# Allegro board 8880F5-0823_9.brd (continued)
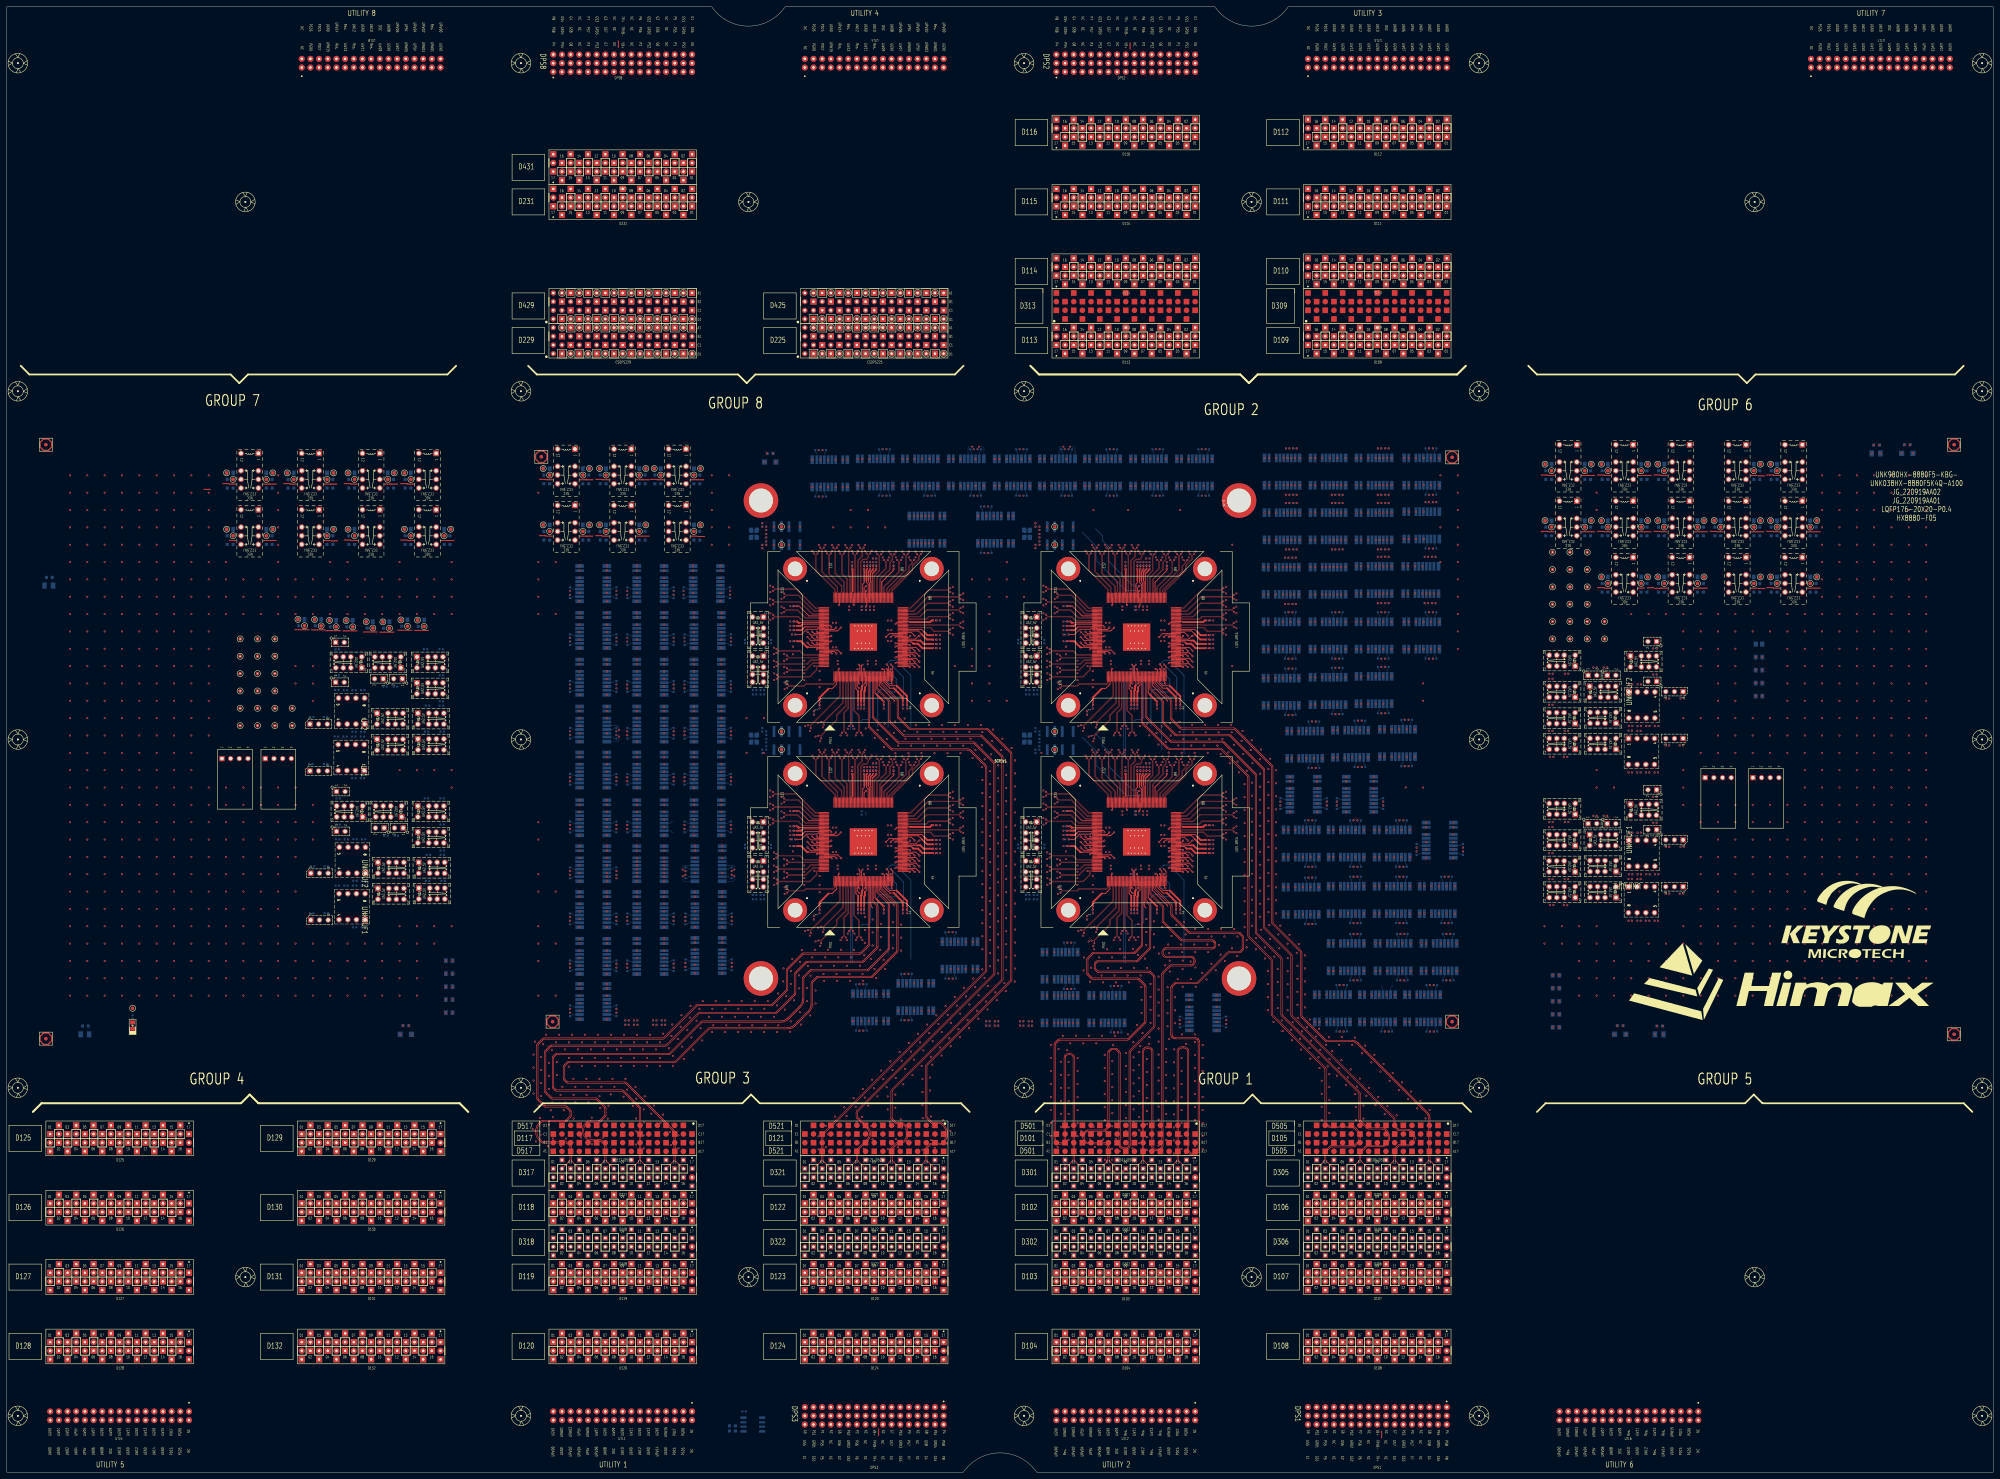
[diagram p0: board, top side]
## Footprints (pads in the part's own frame, mm; a bottom-side part is the same pattern mirrored in y, then rotated) (continued)
PG_VG93K_F_G3UTI1
  round 1.778 hole 0.711: A01(-20.32,-1.27) A02(-17.78,-1.27) A03(-15.24,-1.27) A04(-12.7,-1.27) A05(-10.16,-1.27) A06(-7.62,-1.27) A07(-5.08,-1.27) A08(-2.54,-1.27) A09(0,-1.27) A10(2.54,-1.27) A11(5.08,-1.27) A12(7.62,-1.27) A13(10.16,-1.27) A14(12.7,-1.27) A15(15.24,-1.27) A16(17.78,-1.27) A17(20.32,-1.27) B01(-20.32,1.27) B02(-17.78,1.27) B03(-15.24,1.27) B04(-12.7,1.27) B05(-10.16,1.27) B06(-7.62,1.27) B07(-5.08,1.27) B08(-2.54,1.27) B09(0,1.27) B10(2.54,1.27) B11(5.08,1.27) B12(7.62,1.27) B13(10.16,1.27) B14(12.7,1.27) B15(15.24,1.27) B16(17.78,1.27) B17(20.32,1.27)
PG_VG93K_F_G4D125
  round 1.778 hole 0.711: 01(-20.32,-1.27) 02(-17.78,1.27) 03(-15.24,-1.27) 04(-12.7,1.27) 05(-10.16,-1.27) 06(-7.62,1.27) 07(-5.08,-1.27) 08(-2.54,1.27) 09(0,-1.27) 10(2.54,1.27) 11(5.08,-1.27) 12(7.62,1.27) 13(10.16,-1.27) 14(12.7,1.27) 15(15.24,-1.27) 16(17.78,1.27) 17(20.32,-1.27)
  rect 1.778x1.778 hole 0.711: A1(-20.32,-3.81) A2(-17.78,-1.27) A3(-15.24,-3.81) A4(-12.7,-1.27) A5(-10.16,-3.81) A6(-7.62,-1.27) A7(-5.08,-3.81) A8(-2.54,-1.27) A9(0,-3.81) A10(2.54,-1.27) A11(5.08,-3.81) A12(7.62,-1.27) A13(10.16,-3.81) A14(12.7,-1.27) A15(15.24,-3.81) A16(17.78,-1.27) A17(20.32,-3.81) B1(-20.32,1.27) B2(-17.78,3.81) B3(-15.24,1.27) B4(-12.7,3.81) B5(-10.16,1.27) B6(-7.62,3.81) B7(-5.08,1.27) B8(-2.54,3.81) B9(0,1.27) B10(2.54,3.81) B11(5.08,1.27) B12(7.62,3.81) B13(10.16,1.27) B14(12.7,3.81) B15(15.24,1.27) B16(17.78,3.81) B17(20.32,1.27)
PG_VG93K_F_G4D126
  round 1.778 hole 0.711: 01(-20.32,-1.27) 02(-17.78,1.27) 03(-15.24,-1.27) 04(-12.7,1.27) 05(-10.16,-1.27) 06(-7.62,1.27) 07(-5.08,-1.27) 08(-2.54,1.27) 09(0,-1.27) 10(2.54,1.27) 11(5.08,-1.27) 12(7.62,1.27) 13(10.16,-1.27) 14(12.7,1.27) 15(15.24,-1.27) 16(17.78,1.27) 17(20.32,-1.27)
  rect 1.778x1.778 hole 0.711: A1(-20.32,-3.81) A2(-17.78,-1.27) A3(-15.24,-3.81) A4(-12.7,-1.27) A5(-10.16,-3.81) A6(-7.62,-1.27) A7(-5.08,-3.81) A8(-2.54,-1.27) A9(0,-3.81) A10(2.54,-1.27) A11(5.08,-3.81) A12(7.62,-1.27) A13(10.16,-3.81) A14(12.7,-1.27) A15(15.24,-3.81) A16(17.78,-1.27) A17(20.32,-3.81) B1(-20.32,1.27) B2(-17.78,3.81) B3(-15.24,1.27) B4(-12.7,3.81) B5(-10.16,1.27) B6(-7.62,3.81) B7(-5.08,1.27) B8(-2.54,3.81) B9(0,1.27) B10(2.54,3.81) B11(5.08,1.27) B12(7.62,3.81) B13(10.16,1.27) B14(12.7,3.81) B15(15.24,1.27) B16(17.78,3.81) B17(20.32,1.27)
PG_VG93K_F_G4D127
  round 1.778 hole 0.711: 01(-20.32,-1.27) 02(-17.78,1.27) 03(-15.24,-1.27) 04(-12.7,1.27) 05(-10.16,-1.27) 06(-7.62,1.27) 07(-5.08,-1.27) 08(-2.54,1.27) 09(0,-1.27) 10(2.54,1.27) 11(5.08,-1.27) 12(7.62,1.27) 13(10.16,-1.27) 14(12.7,1.27) 15(15.24,-1.27) 16(17.78,1.27) 17(20.32,-1.27)
  rect 1.778x1.778 hole 0.711: A1(-20.32,-3.81) A2(-17.78,-1.27) A3(-15.24,-3.81) A4(-12.7,-1.27) A5(-10.16,-3.81) A6(-7.62,-1.27) A7(-5.08,-3.81) A8(-2.54,-1.27) A9(0,-3.81) A10(2.54,-1.27) A11(5.08,-3.81) A12(7.62,-1.27) A13(10.16,-3.81) A14(12.7,-1.27) A15(15.24,-3.81) A16(17.78,-1.27) A17(20.32,-3.81) B1(-20.32,1.27) B2(-17.78,3.81) B3(-15.24,1.27) B4(-12.7,3.81) B5(-10.16,1.27) B6(-7.62,3.81) B7(-5.08,1.27) B8(-2.54,3.81) B9(0,1.27) B10(2.54,3.81) B11(5.08,1.27) B12(7.62,3.81) B13(10.16,1.27) B14(12.7,3.81) B15(15.24,1.27) B16(17.78,3.81) B17(20.32,1.27)
PG_VG93K_F_G4D128
  round 1.778 hole 0.711: 01(-20.32,-1.27) 02(-17.78,1.27) 03(-15.24,-1.27) 04(-12.7,1.27) 05(-10.16,-1.27) 06(-7.62,1.27) 07(-5.08,-1.27) 08(-2.54,1.27) 09(0,-1.27) 10(2.54,1.27) 11(5.08,-1.27) 12(7.62,1.27) 13(10.16,-1.27) 14(12.7,1.27) 15(15.24,-1.27) 16(17.78,1.27) 17(20.32,-1.27)
  rect 1.778x1.778 hole 0.711: A1(-20.32,-3.81) A2(-17.78,-1.27) A3(-15.24,-3.81) A4(-12.7,-1.27) A5(-10.16,-3.81) A6(-7.62,-1.27) A7(-5.08,-3.81) A8(-2.54,-1.27) A9(0,-3.81) A10(2.54,-1.27) A11(5.08,-3.81) A12(7.62,-1.27) A13(10.16,-3.81) A14(12.7,-1.27) A15(15.24,-3.81) A16(17.78,-1.27) A17(20.32,-3.81) B1(-20.32,1.27) B2(-17.78,3.81) B3(-15.24,1.27) B4(-12.7,3.81) B5(-10.16,1.27) B6(-7.62,3.81) B7(-5.08,1.27) B8(-2.54,3.81) B9(0,1.27) B10(2.54,3.81) B11(5.08,1.27) B12(7.62,3.81) B13(10.16,1.27) B14(12.7,3.81) B15(15.24,1.27) B16(17.78,3.81) B17(20.32,1.27)
PG_VG93K_F_G4D129
  round 1.778 hole 0.711: 01(-20.32,-1.27) 02(-17.78,1.27) 03(-15.24,-1.27) 04(-12.7,1.27) 05(-10.16,-1.27) 06(-7.62,1.27) 07(-5.08,-1.27) 08(-2.54,1.27) 09(0,-1.27) 10(2.54,1.27) 11(5.08,-1.27) 12(7.62,1.27) 13(10.16,-1.27) 14(12.7,1.27) 15(15.24,-1.27) 16(17.78,1.27) 17(20.32,-1.27)
  rect 1.778x1.778 hole 0.711: A1(-20.32,-3.81) A2(-17.78,-1.27) A3(-15.24,-3.81) A4(-12.7,-1.27) A5(-10.16,-3.81) A6(-7.62,-1.27) A7(-5.08,-3.81) A8(-2.54,-1.27) A9(0,-3.81) A10(2.54,-1.27) A11(5.08,-3.81) A12(7.62,-1.27) A13(10.16,-3.81) A14(12.7,-1.27) A15(15.24,-3.81) A16(17.78,-1.27) A17(20.32,-3.81) B1(-20.32,1.27) B2(-17.78,3.81) B3(-15.24,1.27) B4(-12.7,3.81) B5(-10.16,1.27) B6(-7.62,3.81) B7(-5.08,1.27) B8(-2.54,3.81) B9(0,1.27) B10(2.54,3.81) B11(5.08,1.27) B12(7.62,3.81) B13(10.16,1.27) B14(12.7,3.81) B15(15.24,1.27) B16(17.78,3.81) B17(20.32,1.27)
PG_VG93K_F_G4D130
  round 1.778 hole 0.711: 01(-20.32,-1.27) 02(-17.78,1.27) 03(-15.24,-1.27) 04(-12.7,1.27) 05(-10.16,-1.27) 06(-7.62,1.27) 07(-5.08,-1.27) 08(-2.54,1.27) 09(0,-1.27) 10(2.54,1.27) 11(5.08,-1.27) 12(7.62,1.27) 13(10.16,-1.27) 14(12.7,1.27) 15(15.24,-1.27) 16(17.78,1.27) 17(20.32,-1.27)
  rect 1.778x1.778 hole 0.711: A1(-20.32,-3.81) A2(-17.78,-1.27) A3(-15.24,-3.81) A4(-12.7,-1.27) A5(-10.16,-3.81) A6(-7.62,-1.27) A7(-5.08,-3.81) A8(-2.54,-1.27) A9(0,-3.81) A10(2.54,-1.27) A11(5.08,-3.81) A12(7.62,-1.27) A13(10.16,-3.81) A14(12.7,-1.27) A15(15.24,-3.81) A16(17.78,-1.27) A17(20.32,-3.81) B1(-20.32,1.27) B2(-17.78,3.81) B3(-15.24,1.27) B4(-12.7,3.81) B5(-10.16,1.27) B6(-7.62,3.81) B7(-5.08,1.27) B8(-2.54,3.81) B9(0,1.27) B10(2.54,3.81) B11(5.08,1.27) B12(7.62,3.81) B13(10.16,1.27) B14(12.7,3.81) B15(15.24,1.27) B16(17.78,3.81) B17(20.32,1.27)
PG_VG93K_F_G4D131
  round 1.778 hole 0.711: 01(-20.32,-1.27) 02(-17.78,1.27) 03(-15.24,-1.27) 04(-12.7,1.27) 05(-10.16,-1.27) 06(-7.62,1.27) 07(-5.08,-1.27) 08(-2.54,1.27) 09(0,-1.27) 10(2.54,1.27) 11(5.08,-1.27) 12(7.62,1.27) 13(10.16,-1.27) 14(12.7,1.27) 15(15.24,-1.27) 16(17.78,1.27) 17(20.32,-1.27)
  rect 1.778x1.778 hole 0.711: A1(-20.32,-3.81) A2(-17.78,-1.27) A3(-15.24,-3.81) A4(-12.7,-1.27) A5(-10.16,-3.81) A6(-7.62,-1.27) A7(-5.08,-3.81) A8(-2.54,-1.27) A9(0,-3.81) A10(2.54,-1.27) A11(5.08,-3.81) A12(7.62,-1.27) A13(10.16,-3.81) A14(12.7,-1.27) A15(15.24,-3.81) A16(17.78,-1.27) A17(20.32,-3.81) B1(-20.32,1.27) B2(-17.78,3.81) B3(-15.24,1.27) B4(-12.7,3.81) B5(-10.16,1.27) B6(-7.62,3.81) B7(-5.08,1.27) B8(-2.54,3.81) B9(0,1.27) B10(2.54,3.81) B11(5.08,1.27) B12(7.62,3.81) B13(10.16,1.27) B14(12.7,3.81) B15(15.24,1.27) B16(17.78,3.81) B17(20.32,1.27)
PG_VG93K_F_G4D132
  round 1.778 hole 0.711: 01(-20.32,-1.27) 02(-17.78,1.27) 03(-15.24,-1.27) 04(-12.7,1.27) 05(-10.16,-1.27) 06(-7.62,1.27) 07(-5.08,-1.27) 08(-2.54,1.27) 09(0,-1.27) 10(2.54,1.27) 11(5.08,-1.27) 12(7.62,1.27) 13(10.16,-1.27) 14(12.7,1.27) 15(15.24,-1.27) 16(17.78,1.27) 17(20.32,-1.27)
  rect 1.778x1.778 hole 0.711: A1(-20.32,-3.81) A2(-17.78,-1.27) A3(-15.24,-3.81) A4(-12.7,-1.27) A5(-10.16,-3.81) A6(-7.62,-1.27) A7(-5.08,-3.81) A8(-2.54,-1.27) A9(0,-3.81) A10(2.54,-1.27) A11(5.08,-3.81) A12(7.62,-1.27) A13(10.16,-3.81) A14(12.7,-1.27) A15(15.24,-3.81) A16(17.78,-1.27) A17(20.32,-3.81) B1(-20.32,1.27) B2(-17.78,3.81) B3(-15.24,1.27) B4(-12.7,3.81) B5(-10.16,1.27) B6(-7.62,3.81) B7(-5.08,1.27) B8(-2.54,3.81) B9(0,1.27) B10(2.54,3.81) B11(5.08,1.27) B12(7.62,3.81) B13(10.16,1.27) B14(12.7,3.81) B15(15.24,1.27) B16(17.78,3.81) B17(20.32,1.27)
PG_VG93K_F_G4UTI5
  round 1.778 hole 0.711: A01(-20.32,-1.27) A02(-17.78,-1.27) A03(-15.24,-1.27) A04(-12.7,-1.27) A05(-10.16,-1.27) A06(-7.62,-1.27) A07(-5.08,-1.27) A08(-2.54,-1.27) A09(0,-1.27) A10(2.54,-1.27) A11(5.08,-1.27) A12(7.62,-1.27) A13(10.16,-1.27) A14(12.7,-1.27) A15(15.24,-1.27) A16(17.78,-1.27) A17(20.32,-1.27) B01(-20.32,1.27) B02(-17.78,1.27) B03(-15.24,1.27) B04(-12.7,1.27) B05(-10.16,1.27) B06(-7.62,1.27) B07(-5.08,1.27) B08(-2.54,1.27) B09(0,1.27) B10(2.54,1.27) B11(5.08,1.27) B12(7.62,1.27) B13(10.16,1.27) B14(12.7,1.27) B15(15.24,1.27) B16(17.78,1.27) B17(20.32,1.27)
PG_VG93K_F_G5UTI6
  round 1.778 hole 0.711: A01(-20.32,-1.27) A02(-17.78,-1.27) A03(-15.24,-1.27) A04(-12.7,-1.27) A05(-10.16,-1.27) A06(-7.62,-1.27) A07(-5.08,-1.27) A08(-2.54,-1.27) A09(0,-1.27) A10(2.54,-1.27) A11(5.08,-1.27) A12(7.62,-1.27) A13(10.16,-1.27) A14(12.7,-1.27) A15(15.24,-1.27) A16(17.78,-1.27) A17(20.32,-1.27) B01(-20.32,1.27) B02(-17.78,1.27) B03(-15.24,1.27) B04(-12.7,1.27) B05(-10.16,1.27) B06(-7.62,1.27) B07(-5.08,1.27) B08(-2.54,1.27) B09(0,1.27) B10(2.54,1.27) B11(5.08,1.27) B12(7.62,1.27) B13(10.16,1.27) B14(12.7,1.27) B15(15.24,1.27) B16(17.78,1.27) B17(20.32,1.27)
PG_VG93K_F_G6UTI7
  round 1.778 hole 0.711: A01(20.32,1.27) A02(17.78,1.27) A03(15.24,1.27) A04(12.7,1.27) A05(10.16,1.27) A06(7.62,1.27) A07(5.08,1.27) A08(2.54,1.27) A09(0,1.27) A10(-2.54,1.27) A11(-5.08,1.27) A12(-7.62,1.27) A13(-10.16,1.27) A14(-12.7,1.27) A15(-15.24,1.27) A16(-17.78,1.27) A17(-20.32,1.27) B01(20.32,-1.27) B02(17.78,-1.27) B03(15.24,-1.27) B04(12.7,-1.27) B05(10.16,-1.27) B06(7.62,-1.27) B07(5.08,-1.27) B08(2.54,-1.27) B09(0,-1.27) B10(-2.54,-1.27) B11(-5.08,-1.27) B12(-7.62,-1.27) B13(-10.16,-1.27) B14(-12.7,-1.27) B15(-15.24,-1.27) B16(-17.78,-1.27) B17(-20.32,-1.27)
PG_VG93K_F_G7UTI8
  round 1.778 hole 0.711: A01(20.32,1.27) A02(17.78,1.27) A03(15.24,1.27) A04(12.7,1.27) A05(10.16,1.27) A06(7.62,1.27) A07(5.08,1.27) A08(2.54,1.27) A09(0,1.27) A10(-2.54,1.27) A11(-5.08,1.27) A12(-7.62,1.27) A13(-10.16,1.27) A14(-12.7,1.27) A15(-15.24,1.27) A16(-17.78,1.27) A17(-20.32,1.27) B01(20.32,-1.27) B02(17.78,-1.27) B03(15.24,-1.27) B04(12.7,-1.27) B05(10.16,-1.27) B06(7.62,-1.27) B07(5.08,-1.27) B08(2.54,-1.27) B09(0,-1.27) B10(-2.54,-1.27) B11(-5.08,-1.27) B12(-7.62,-1.27) B13(-10.16,-1.27) B14(-12.7,-1.27) B15(-15.24,-1.27) B16(-17.78,-1.27) B17(-20.32,-1.27)
PG_VG93K_F_G8D231
  round 1.778 hole 0.711: 01(20.32,1.27) 02(17.78,-1.27) 03(15.24,1.27) 04(12.7,-1.27) 05(10.16,1.27) 06(7.62,-1.27) 07(5.08,1.27) 08(2.54,-1.27) 09(0,1.27) 10(-2.54,-1.27) 11(-5.08,1.27) 12(-7.62,-1.27) 13(-10.16,1.27) 14(-12.7,-1.27) 15(-15.24,1.27) 16(-17.78,-1.27) 17(-20.32,1.27)
  rect 1.778x1.778 hole 0.711: A1(20.32,3.81) A2(17.78,1.27) A3(15.24,3.81) A4(12.7,1.27) A5(10.16,3.81) A6(7.62,1.27) A7(5.08,3.81) A8(2.54,1.27) A9(0,3.81) A10(-2.54,1.27) A11(-5.08,3.81) A12(-7.62,1.27) A13(-10.16,3.81) A14(-12.7,1.27) A15(-15.24,3.81) A16(-17.78,1.27) A17(-20.32,3.81) B1(20.32,-1.27) B2(17.78,-3.81) B3(15.24,-1.27) B4(12.7,-3.81) B5(10.16,-1.27) B6(7.62,-3.81) B7(5.08,-1.27) B8(2.54,-3.81) B9(0,-1.27) B10(-2.54,-3.81) B11(-5.08,-1.27) B12(-7.62,-3.81) B13(-10.16,-1.27) B14(-12.7,-3.81) B15(-15.24,-1.27) B16(-17.78,-3.81) B17(-20.32,-1.27)
PG_VG93K_F_G8D431
  round 1.778 hole 0.711: 01(20.32,1.27) 02(17.78,-1.27) 03(15.24,1.27) 04(12.7,-1.27) 05(10.16,1.27) 06(7.62,-1.27) 07(5.08,1.27) 08(2.54,-1.27) 09(0,1.27) 10(-2.54,-1.27) 11(-5.08,1.27) 12(-7.62,-1.27) 13(-10.16,1.27) 14(-12.7,-1.27) 15(-15.24,1.27) 16(-17.78,-1.27) 17(-20.32,1.27)
  rect 1.778x1.778 hole 0.711: A1(20.32,3.81) A2(17.78,1.27) A3(15.24,3.81) A4(12.7,1.27) A5(10.16,3.81) A6(7.62,1.27) A7(5.08,3.81) A8(2.54,1.27) A9(0,3.81) A10(-2.54,1.27) A11(-5.08,3.81) A12(-7.62,1.27) A13(-10.16,3.81) A14(-12.7,1.27) A15(-15.24,3.81) A16(-17.78,1.27) A17(-20.32,3.81) B1(20.32,-1.27) B2(17.78,-3.81) B3(15.24,-1.27) B4(12.7,-3.81) B5(10.16,-1.27) B6(7.62,-3.81) B7(5.08,-1.27) B8(2.54,-3.81) B9(0,-1.27) B10(-2.54,-3.81) B11(-5.08,-1.27) B12(-7.62,-3.81) B13(-10.16,-1.27) B14(-12.7,-3.81) B15(-15.24,-1.27) B16(-17.78,-3.81) B17(-20.32,-1.27)
PG_VG93K_F_G8DPS8
  round 1.778 hole 0.711: A01(20.32,2.54) A02(17.78,2.54) A03(15.24,2.54) A04(12.7,2.54) A05(10.16,2.54) A06(7.62,2.54) A07(5.08,2.54) A08(2.54,2.54) A09(0,2.54) A10(-2.54,2.54) A11(-5.08,2.54) A12(-7.62,2.54) A13(-10.16,2.54) A14(-12.7,2.54) A15(-15.24,2.54) A16(-17.78,2.54) A17(-20.32,2.54) B01(20.32,0) B02(17.78,0) B03(15.24,0) B04(12.7,0) B05(10.16,0) B06(7.62,0) B07(5.08,0) B08(2.54,0) B09(0,0) B10(-2.54,0) B11(-5.08,0) B12(-7.62,0) B13(-10.16,0) B14(-12.7,0) B15(-15.24,0) B16(-17.78,0) B17(-20.32,0) C01(20.32,-2.54) C02(17.78,-2.54) C03(15.24,-2.54) C04(12.7,-2.54) C05(10.16,-2.54) C06(7.62,-2.54) C07(5.08,-2.54) C08(2.54,-2.54) C09(0,-2.54) C10(-2.54,-2.54) C11(-5.08,-2.54) C12(-7.62,-2.54) C13(-10.16,-2.54) C14(-12.7,-2.54) C15(-15.24,-2.54) C16(-17.78,-2.54) C17(-20.32,-2.54)
PG_VG93K_F_G8UTI4
  round 1.778 hole 0.711: A01(20.32,1.27) A02(17.78,1.27) A03(15.24,1.27) A04(12.7,1.27) A05(10.16,1.27) A06(7.62,1.27) A07(5.08,1.27) A08(2.54,1.27) A09(0,1.27) A10(-2.54,1.27) A11(-5.08,1.27) A12(-7.62,1.27) A13(-10.16,1.27) A14(-12.7,1.27) A15(-15.24,1.27) A16(-17.78,1.27) A17(-20.32,1.27) B01(20.32,-1.27) B02(17.78,-1.27) B03(15.24,-1.27) B04(12.7,-1.27) B05(10.16,-1.27) B06(7.62,-1.27) B07(5.08,-1.27) B08(2.54,-1.27) B09(0,-1.27) B10(-2.54,-1.27) B11(-5.08,-1.27) B12(-7.62,-1.27) B13(-10.16,-1.27) B14(-12.7,-1.27) B15(-15.24,-1.27) B16(-17.78,-1.27) B17(-20.32,-1.27)
PG_VG93K_F_HSM_G1D101_501_ND
  rect 1.626x1.626 smd: A1(-20.32,-3.81) A3(-15.24,-3.81) A5(-10.16,-3.81) A7(-5.08,-3.81) A9(0,-3.81) A11(5.08,-3.81) A13(10.16,-3.81) A15(15.24,-3.81) A17(20.32,-3.81) B2(-17.78,-1.27) B4(-12.7,-1.27) B6(-7.62,-1.27) B8(-2.54,-1.27) B10(2.54,-1.27) B12(7.62,-1.27) B14(12.7,-1.27) B16(17.78,-1.27) C1(-20.32,1.27) C3(-15.24,1.27) C5(-10.16,1.27) C7(-5.08,1.27) C9(0,1.27) C11(5.08,1.27) C13(10.16,1.27) C15(15.24,1.27) C17(20.32,1.27) D2(-17.78,3.81) D4(-12.7,3.81) D6(-7.62,3.81) D8(-2.54,3.81) D10(2.54,3.81) D12(7.62,3.81) D14(12.7,3.81) D16(17.78,3.81)
  round 1.626 smd: A2(-17.78,-3.81) A4(-12.7,-3.81) A6(-7.62,-3.81) A8(-2.54,-3.81) A10(2.54,-3.81) A12(7.62,-3.81) A14(12.7,-3.81) A16(17.78,-3.81) B1(-20.32,-1.27) B3(-15.24,-1.27) B5(-10.16,-1.27) B7(-5.08,-1.27) B9(0,-1.27) B11(5.08,-1.27) B13(10.16,-1.27) B15(15.24,-1.27) B17(20.32,-1.27) C2(-17.78,1.27) C4(-12.7,1.27) C6(-7.62,1.27) C8(-2.54,1.27) C10(2.54,1.27) C12(7.62,1.27) C14(12.7,1.27) C16(17.78,1.27) D3(-15.24,3.81) D5(-10.16,3.81) D7(-5.08,3.81) D9(0,3.81) D11(5.08,3.81) D13(10.16,3.81) D15(15.24,3.81)
PG_VG93K_F_HSM_G1D105_505_ND
  rect 1.626x1.626 smd: A1(-20.32,-3.81) A3(-15.24,-3.81) A5(-10.16,-3.81) A7(-5.08,-3.81) A9(0,-3.81) A11(5.08,-3.81) A13(10.16,-3.81) A15(15.24,-3.81) A17(20.32,-3.81) B2(-17.78,-1.27) B4(-12.7,-1.27) B6(-7.62,-1.27) B8(-2.54,-1.27) B10(2.54,-1.27) B12(7.62,-1.27) B14(12.7,-1.27) B16(17.78,-1.27) C1(-20.32,1.27) C3(-15.24,1.27) C5(-10.16,1.27) C7(-5.08,1.27) C9(0,1.27) C11(5.08,1.27) C13(10.16,1.27) C15(15.24,1.27) C17(20.32,1.27) D2(-17.78,3.81) D4(-12.7,3.81) D6(-7.62,3.81) D8(-2.54,3.81) D10(2.54,3.81) D12(7.62,3.81) D14(12.7,3.81) D16(17.78,3.81)
  round 1.626 smd: A2(-17.78,-3.81) A4(-12.7,-3.81) A6(-7.62,-3.81) A8(-2.54,-3.81) A10(2.54,-3.81) A12(7.62,-3.81) A14(12.7,-3.81) A16(17.78,-3.81) B1(-20.32,-1.27) B3(-15.24,-1.27) B5(-10.16,-1.27) B7(-5.08,-1.27) B9(0,-1.27) B11(5.08,-1.27) B13(10.16,-1.27) B15(15.24,-1.27) B17(20.32,-1.27) C2(-17.78,1.27) C4(-12.7,1.27) C6(-7.62,1.27) C8(-2.54,1.27) C10(2.54,1.27) C12(7.62,1.27) C14(12.7,1.27) C16(17.78,1.27) D3(-15.24,3.81) D5(-10.16,3.81) D7(-5.08,3.81) D9(0,3.81) D11(5.08,3.81) D13(10.16,3.81) D15(15.24,3.81)
PG_VG93K_F_HSM_G3D117_517_ND
  rect 1.626x1.626 smd: A1(-20.32,-3.81) A3(-15.24,-3.81) A5(-10.16,-3.81) A7(-5.08,-3.81) A9(0,-3.81) A11(5.08,-3.81) A13(10.16,-3.81) A15(15.24,-3.81) A17(20.32,-3.81) B2(-17.78,-1.27) B4(-12.7,-1.27) B6(-7.62,-1.27) B8(-2.54,-1.27) B10(2.54,-1.27) B12(7.62,-1.27) B14(12.7,-1.27) B16(17.78,-1.27) C1(-20.32,1.27) C3(-15.24,1.27) C5(-10.16,1.27) C7(-5.08,1.27) C9(0,1.27) C11(5.08,1.27) C13(10.16,1.27) C15(15.24,1.27) C17(20.32,1.27) D2(-17.78,3.81) D4(-12.7,3.81) D6(-7.62,3.81) D8(-2.54,3.81) D10(2.54,3.81) D12(7.62,3.81) D14(12.7,3.81) D16(17.78,3.81)
  round 1.626 smd: A2(-17.78,-3.81) A4(-12.7,-3.81) A6(-7.62,-3.81) A8(-2.54,-3.81) A10(2.54,-3.81) A12(7.62,-3.81) A14(12.7,-3.81) A16(17.78,-3.81) B1(-20.32,-1.27) B3(-15.24,-1.27) B5(-10.16,-1.27) B7(-5.08,-1.27) B9(0,-1.27) B11(5.08,-1.27) B13(10.16,-1.27) B15(15.24,-1.27) B17(20.32,-1.27) C2(-17.78,1.27) C4(-12.7,1.27) C6(-7.62,1.27) C8(-2.54,1.27) C10(2.54,1.27) C12(7.62,1.27) C14(12.7,1.27) C16(17.78,1.27) D3(-15.24,3.81) D5(-10.16,3.81) D7(-5.08,3.81) D9(0,3.81) D11(5.08,3.81) D13(10.16,3.81) D15(15.24,3.81)
PG_VG93K_F_HSM_G3D121_521_ND
  rect 1.626x1.626 smd: A1(-20.32,-3.81) A3(-15.24,-3.81) A5(-10.16,-3.81) A7(-5.08,-3.81) A9(0,-3.81) A11(5.08,-3.81) A13(10.16,-3.81) A15(15.24,-3.81) A17(20.32,-3.81) B2(-17.78,-1.27) B4(-12.7,-1.27) B6(-7.62,-1.27) B8(-2.54,-1.27) B10(2.54,-1.27) B12(7.62,-1.27) B14(12.7,-1.27) B16(17.78,-1.27) C1(-20.32,1.27) C3(-15.24,1.27) C5(-10.16,1.27) C7(-5.08,1.27) C9(0,1.27) C11(5.08,1.27) C13(10.16,1.27) C15(15.24,1.27) C17(20.32,1.27) D2(-17.78,3.81) D4(-12.7,3.81) D6(-7.62,3.81) D8(-2.54,3.81) D10(2.54,3.81) D12(7.62,3.81) D14(12.7,3.81) D16(17.78,3.81)
  round 1.626 smd: A2(-17.78,-3.81) A4(-12.7,-3.81) A6(-7.62,-3.81) A8(-2.54,-3.81) A10(2.54,-3.81) A12(7.62,-3.81) A14(12.7,-3.81) A16(17.78,-3.81) B1(-20.32,-1.27) B3(-15.24,-1.27) B5(-10.16,-1.27) B7(-5.08,-1.27) B9(0,-1.27) B11(5.08,-1.27) B13(10.16,-1.27) B15(15.24,-1.27) B17(20.32,-1.27) C2(-17.78,1.27) C4(-12.7,1.27) C6(-7.62,1.27) C8(-2.54,1.27) C10(2.54,1.27) C12(7.62,1.27) C14(12.7,1.27) C16(17.78,1.27) D3(-15.24,3.81) D5(-10.16,3.81) D7(-5.08,3.81) D9(0,3.81) D11(5.08,3.81) D13(10.16,3.81) D15(15.24,3.81)
PG_VG93K_F_PSSL_G2D309_ND
  rect 1.626x1.626 smd: A1(20.32,3.81) A3(15.24,3.81) A5(10.16,3.81) A7(5.08,3.81) A9(0,3.81) A11(-5.08,3.81) A13(-10.16,3.81) A15(-15.24,3.81) A17(-20.32,3.81) B2(17.78,1.27) B4(12.7,1.27) B6(7.62,1.27) B8(2.54,1.27) B10(-2.54,1.27) B12(-7.62,1.27) B14(-12.7,1.27) B16(-17.78,1.27) C1(20.32,-1.27) C3(15.24,-1.27) C5(10.16,-1.27) C7(5.08,-1.27) C9(0,-1.27) C11(-5.08,-1.27) C13(-10.16,-1.27) C15(-15.24,-1.27) C17(-20.32,-1.27) D2(17.78,-3.81) D4(12.7,-3.81) D6(7.62,-3.81) D8(2.54,-3.81) D10(-2.54,-3.81) D12(-7.62,-3.81) D14(-12.7,-3.81) D16(-17.78,-3.81)
  round 1.626 smd: B1(20.32,1.27) B3(15.24,1.27) B5(10.16,1.27) B7(5.08,1.27) B9(0,1.27) B11(-5.08,1.27) B13(-10.16,1.27) B15(-15.24,1.27) B17(-20.32,1.27) C2(17.78,-1.27) C4(12.7,-1.27) C6(7.62,-1.27) C8(2.54,-1.27) C10(-2.54,-1.27) C12(-7.62,-1.27) C14(-12.7,-1.27) C16(-17.78,-1.27)
PG_VG93K_F_PSSL_G2D313_ND
  rect 1.626x1.626 smd: A1(20.32,3.81) A3(15.24,3.81) A5(10.16,3.81) A7(5.08,3.81) A9(0,3.81) A11(-5.08,3.81) A13(-10.16,3.81) A15(-15.24,3.81) A17(-20.32,3.81) B2(17.78,1.27) B4(12.7,1.27) B6(7.62,1.27) B8(2.54,1.27) B10(-2.54,1.27) B12(-7.62,1.27) B14(-12.7,1.27) B16(-17.78,1.27) C1(20.32,-1.27) C3(15.24,-1.27) C5(10.16,-1.27) C7(5.08,-1.27) C9(0,-1.27) C11(-5.08,-1.27) C13(-10.16,-1.27) C15(-15.24,-1.27) C17(-20.32,-1.27) D2(17.78,-3.81) D4(12.7,-3.81) D6(7.62,-3.81) D8(2.54,-3.81) D10(-2.54,-3.81) D12(-7.62,-3.81) D14(-12.7,-3.81) D16(-17.78,-3.81)
  round 1.626 smd: B1(20.32,1.27) B3(15.24,1.27) B5(10.16,1.27) B7(5.08,1.27) B9(0,1.27) B11(-5.08,1.27) B13(-10.16,1.27) B15(-15.24,1.27) B17(-20.32,1.27) C2(17.78,-1.27) C4(12.7,-1.27) C6(7.62,-1.27) C8(2.54,-1.27) C10(-2.54,-1.27) C12(-7.62,-1.27) C14(-12.7,-1.27) C16(-17.78,-1.27)
PG_VG93K_PF_DPS32_G8D225
  rect 1.778x1.778 hole 0.711: A1(20.32,3.81) A3(15.24,3.81) A5(10.16,3.81) A7(5.08,3.81) A9(0,3.81) A11(-5.08,3.81) A13(-10.16,3.81) A15(-15.24,3.81) B2(17.78,1.27) B4(12.7,1.27) B6(7.62,1.27) B8(2.54,1.27) B10(-2.54,1.27) B12(-7.62,1.27) B14(-12.7,1.27) B16(-17.78,1.27) C1(20.32,-1.27) C3(15.24,-1.27) C5(10.16,-1.27) C7(5.08,-1.27) C9(0,-1.27) C11(-5.08,-1.27) C13(-10.16,-1.27) C15(-15.24,-1.27) D2(17.78,-3.81) D4(12.7,-3.81) D6(7.62,-3.81) D8(2.54,-3.81) D10(-2.54,-3.81) D12(-7.62,-3.81) D14(-12.7,-3.81) D16(-17.78,-3.81)
  round 1.524 hole 0.711: A2(17.78,3.81) A4(12.7,3.81) A6(7.62,3.81) A8(2.54,3.81) A10(-2.54,3.81) A12(-7.62,3.81) A14(-12.7,3.81) A16(-17.78,3.81) A17(-20.32,3.81) B1(20.32,1.27) B3(15.24,1.27) B5(10.16,1.27) B7(5.08,1.27) B9(0,1.27) B11(-5.08,1.27) B13(-10.16,1.27) B15(-15.24,1.27) B17(-20.32,1.27) C2(17.78,-1.27) C4(12.7,-1.27) C6(7.62,-1.27) C8(2.54,-1.27) C10(-2.54,-1.27) C12(-7.62,-1.27) C14(-12.7,-1.27) C16(-17.78,-1.27) C17(-20.32,-1.27) D1(20.32,-3.81) D3(15.24,-3.81) D5(10.16,-3.81) D7(5.08,-3.81) D9(0,-3.81) D11(-5.08,-3.81) D13(-10.16,-3.81) D15(-15.24,-3.81) D17(-20.32,-3.81)
PG_VG93K_PF_DPS32_G8D229
  rect 1.778x1.778 hole 0.711: A1(20.32,3.81) A3(15.24,3.81) A5(10.16,3.81) A7(5.08,3.81) A9(0,3.81) A11(-5.08,3.81) A13(-10.16,3.81) A15(-15.24,3.81) B2(17.78,1.27) B4(12.7,1.27) B6(7.62,1.27) B8(2.54,1.27) B10(-2.54,1.27) B12(-7.62,1.27) B14(-12.7,1.27) B16(-17.78,1.27) C1(20.32,-1.27) C3(15.24,-1.27) C5(10.16,-1.27) C7(5.08,-1.27) C9(0,-1.27) C11(-5.08,-1.27) C13(-10.16,-1.27) C15(-15.24,-1.27) D2(17.78,-3.81) D4(12.7,-3.81) D6(7.62,-3.81) D8(2.54,-3.81) D10(-2.54,-3.81) D12(-7.62,-3.81) D14(-12.7,-3.81) D16(-17.78,-3.81)
  round 1.524 hole 0.711: A2(17.78,3.81) A4(12.7,3.81) A6(7.62,3.81) A8(2.54,3.81) A10(-2.54,3.81) A12(-7.62,3.81) A14(-12.7,3.81) A16(-17.78,3.81) A17(-20.32,3.81) B1(20.32,1.27) B3(15.24,1.27) B5(10.16,1.27) B7(5.08,1.27) B9(0,1.27) B11(-5.08,1.27) B13(-10.16,1.27) B15(-15.24,1.27) B17(-20.32,1.27) C2(17.78,-1.27) C4(12.7,-1.27) C6(7.62,-1.27) C8(2.54,-1.27) C10(-2.54,-1.27) C12(-7.62,-1.27) C14(-12.7,-1.27) C16(-17.78,-1.27) C17(-20.32,-1.27) D1(20.32,-3.81) D3(15.24,-3.81) D5(10.16,-3.81) D7(5.08,-3.81) D9(0,-3.81) D11(-5.08,-3.81) D13(-10.16,-3.81) D15(-15.24,-3.81) D17(-20.32,-3.81)
PG_VG93K_PF_DPS32_G8D425
  rect 1.778x1.778 hole 0.711: A1(20.32,3.81) A3(15.24,3.81) A5(10.16,3.81) A7(5.08,3.81) A9(0,3.81) A11(-5.08,3.81) A13(-10.16,3.81) A15(-15.24,3.81) B2(17.78,1.27) B4(12.7,1.27) B6(7.62,1.27) B8(2.54,1.27) B10(-2.54,1.27) B12(-7.62,1.27) B14(-12.7,1.27) B16(-17.78,1.27) C1(20.32,-1.27) C3(15.24,-1.27) C5(10.16,-1.27) C7(5.08,-1.27) C9(0,-1.27) C11(-5.08,-1.27) C13(-10.16,-1.27) C15(-15.24,-1.27) D2(17.78,-3.81) D4(12.7,-3.81) D6(7.62,-3.81) D8(2.54,-3.81) D10(-2.54,-3.81) D12(-7.62,-3.81) D14(-12.7,-3.81) D16(-17.78,-3.81)
  round 1.524 hole 0.711: A2(17.78,3.81) A4(12.7,3.81) A6(7.62,3.81) A8(2.54,3.81) A10(-2.54,3.81) A12(-7.62,3.81) A14(-12.7,3.81) A16(-17.78,3.81) A17(-20.32,3.81) B1(20.32,1.27) B3(15.24,1.27) B5(10.16,1.27) B7(5.08,1.27) B9(0,1.27) B11(-5.08,1.27) B13(-10.16,1.27) B15(-15.24,1.27) B17(-20.32,1.27) C2(17.78,-1.27) C4(12.7,-1.27) C6(7.62,-1.27) C8(2.54,-1.27) C10(-2.54,-1.27) C12(-7.62,-1.27) C14(-12.7,-1.27) C16(-17.78,-1.27) C17(-20.32,-1.27) D1(20.32,-3.81) D3(15.24,-3.81) D5(10.16,-3.81) D7(5.08,-3.81) D9(0,-3.81) D11(-5.08,-3.81) D13(-10.16,-3.81) D15(-15.24,-3.81) D17(-20.32,-3.81)
PG_VG93K_PF_DPS32_G8D429
  rect 1.778x1.778 hole 0.711: A1(20.32,3.81) A3(15.24,3.81) A5(10.16,3.81) A7(5.08,3.81) A9(0,3.81) A11(-5.08,3.81) A13(-10.16,3.81) A15(-15.24,3.81) B2(17.78,1.27) B4(12.7,1.27) B6(7.62,1.27) B8(2.54,1.27) B10(-2.54,1.27) B12(-7.62,1.27) B14(-12.7,1.27) B16(-17.78,1.27) C1(20.32,-1.27) C3(15.24,-1.27) C5(10.16,-1.27) C7(5.08,-1.27) C9(0,-1.27) C11(-5.08,-1.27) C13(-10.16,-1.27) C15(-15.24,-1.27) D2(17.78,-3.81) D4(12.7,-3.81) D6(7.62,-3.81) D8(2.54,-3.81) D10(-2.54,-3.81) D12(-7.62,-3.81) D14(-12.7,-3.81) D16(-17.78,-3.81)
  round 1.524 hole 0.711: A2(17.78,3.81) A4(12.7,3.81) A6(7.62,3.81) A8(2.54,3.81) A10(-2.54,3.81) A12(-7.62,3.81) A14(-12.7,3.81) A16(-17.78,3.81) A17(-20.32,3.81) B1(20.32,1.27) B3(15.24,1.27) B5(10.16,1.27) B7(5.08,1.27) B9(0,1.27) B11(-5.08,1.27) B13(-10.16,1.27) B15(-15.24,1.27) B17(-20.32,1.27) C2(17.78,-1.27) C4(12.7,-1.27) C6(7.62,-1.27) C8(2.54,-1.27) C10(-2.54,-1.27) C12(-7.62,-1.27) C14(-12.7,-1.27) C16(-17.78,-1.27) C17(-20.32,-1.27) D1(20.32,-3.81) D3(15.24,-3.81) D5(10.16,-3.81) D7(5.08,-3.81) D9(0,-3.81) D11(-5.08,-3.81) D13(-10.16,-3.81) D15(-15.24,-3.81) D17(-20.32,-3.81)
R0402
  custom 0.15x0.15 smd: 1(-0.5,0) 2(0.5,0)
R0603
  rect 0.889x0.889 smd: 1(-0.85,0) 2(0.85,0)
RL_G6K2FRT_8P_5V_GR
  rect 0.813x2.54 smd: 1(-3.75,-4) 2(-0.55,-4) 3(1.65,-4) 4(3.85,-4) 5(3.85,4) 6(1.65,4) 7(-0.55,4) 8(-3.75,4) G2(-1.65,-4) G3(0.55,-4) G4(2.75,-4) G7(2.75,4) G8(0.55,4) G9(-1.65,4)
  rect 1.092x2.54 smd: G1(-5.1,-4) G5(5.2,-4) G6(5.2,4) G10(-5.1,4)
